# KiCad board kayboard.kicad_pcb (continued)
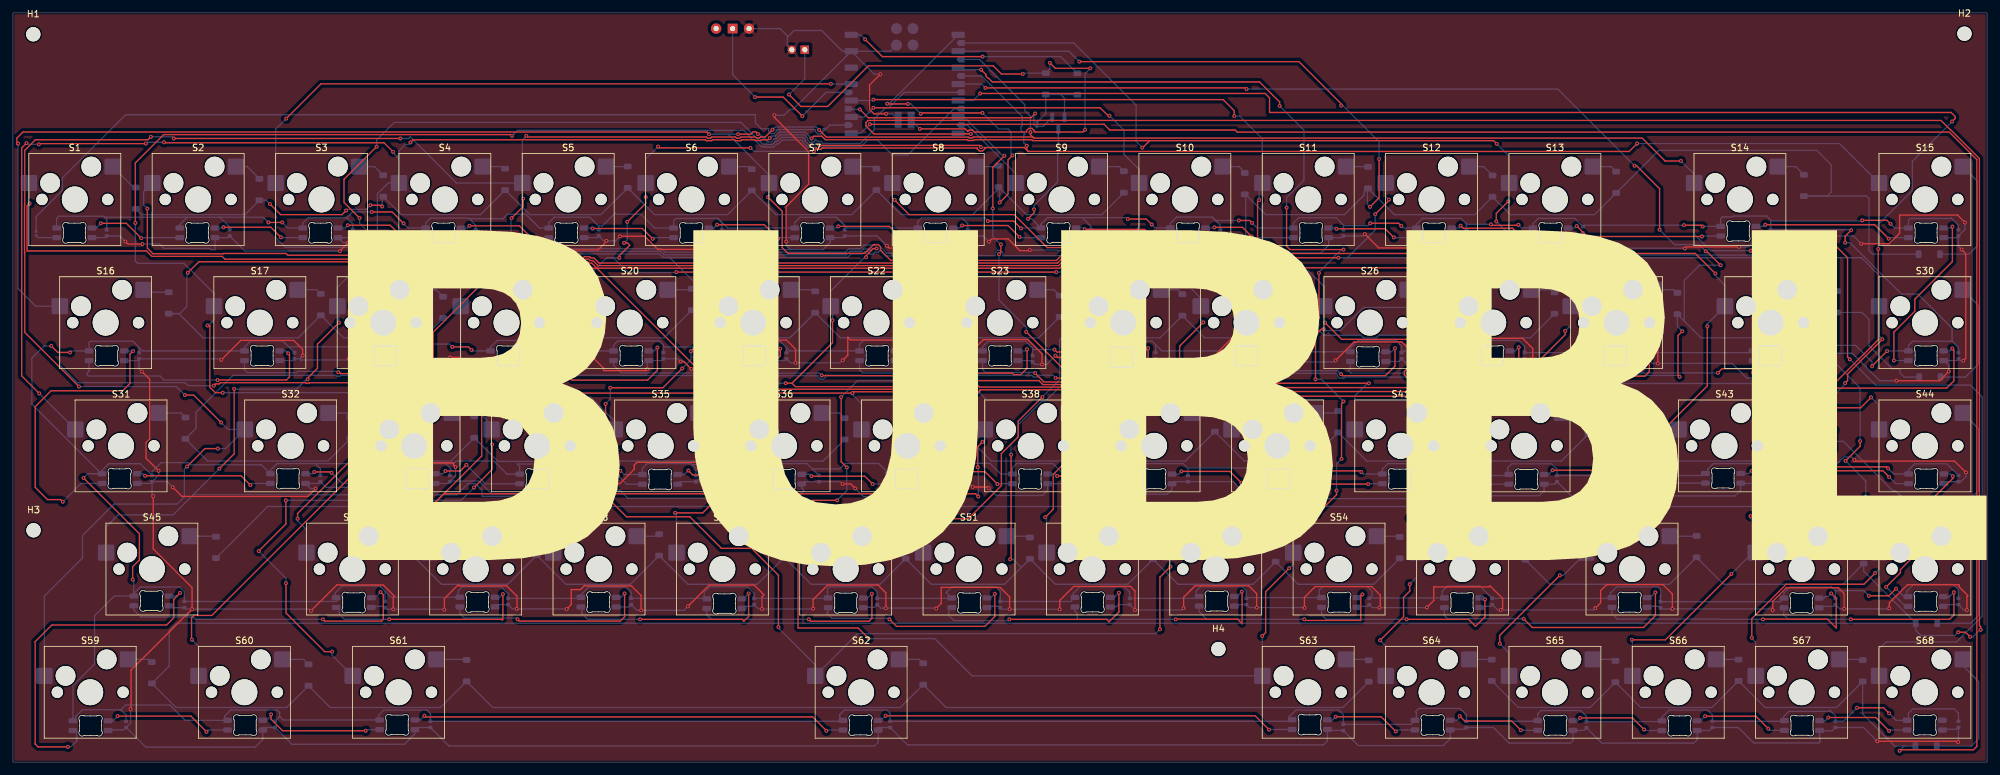
[diagram p0: board, top side]
## Routing (per net, layer and track width the routed paths; a pad name or vN(x,y) marks a point on that pad's centre or on a via; arc(x,y) is an arc through that point) (continued)
row 5: length 652.5
  Top w0.2: v1(288.1,79.33) 288.1,65.31 281.77,58.98 v1(280.53,58.98) ; v1(149.4,103.38) 193.4,103.38 194.08,102.7 194.08,100.44 299.35,100.44 299.98,99.81 299.98,99.52 v1(299.5,99.04)
  Bottom w0.2: 280.1,49.58 280.69,50.17 280.69,58.82 v1(280.53,58.98) ; 280.1,49.58 282.71,49.58 290.33,41.96 290.73,41.96 291.61,41.08 292.98,41.08 293.6,40.46 D44.1 292.87,39.52 39.34,39.52 D45.1 ; 280.1,49.58 D43.1 271.65,46.54 247.5,46.54 D42.1 239.16,46.54 228.03,46.54 D41.1 219.55,46.54 209.12,46.54 D40.1 200.26,46.54 190.19,46.54 D39.1 181.07,46.54 169.6,46.54 D38.1 163.5,46.54 151.13,46.54 D37.1 ; v1(288.1,79.33) 288.1,83.11 293.37,88.38 293.37,92.91 v1(299.5,99.04) ; v1(149.4,103.38) 148.31,102.29 U1.5
row 6: length 264.8
  Top w0.2: v1(154.01,31.34) 154.16,31.49 v1(154.16,47.53) ; v1(152.58,80.04) 152.58,78.82 v1(152.29,78.53) ; v1(156.5,66.51) 162.87,60.14 v1(163.81,60.14) ; v1(153.13,93.75) 151.34,91.96 v1(151.34,85.59)
  Bottom w0.2: 155.75,30.09 154.5,31.34 v1(154.01,31.34) ; 155.75,30.09 D51.1 161.01,27.49 172.19,27.49 D52.1 179.95,27.49 191.54,27.49 D53.1 198.5,27.49 210.18,27.49 D54.1 ; 155.75,30.09 153.15,27.49 141.84,27.49 D50.1 133.92,27.49 123.29,27.49 D49.1 114.97,27.49 104.24,27.49 D48.1 95.36,27.49 85.41,27.49 D47.1 76.41,27.49 66.18,27.49 D46.1 ; v1(154.16,47.53) 154.16,49.18 155.28,50.31 155.28,52.17 158.96,55.85 159.52,55.85 v1(163.81,60.14) ; U1.6 146.87,99.75 152.87,93.75 v1(153.13,93.75) ; v1(152.29,78.53) 152.29,71.43 156.5,67.22 v1(156.5,66.51) ; v1(151.34,85.59) 151.34,81.28 v1(152.58,80.04)
row 7: length 830
  Top w0.2: v1(302.29,19.37) 301.58,20.08 v1(300.45,20.08) ; v1(147.94,97.11) 132.99,97.11 131.74,98.36 131.74,98.86 132.09,99.21 297.78,99.21 299.19,97.8 299.24,97.8 303.72,93.32 303.72,21.12 303.92,20.92 v1(303.92,20.45)
  Bottom w0.2: D58.1 25.28,21.47 24.14,20.33 24.14,14.85 D59.1 25.17,8.44 42.29,8.44 D60.1 49.01,8.44 66.02,8.44 D61.1 74.1,8.44 137.06,8.44 D62.1 144.12,8.44 205.42,8.44 D63.1 ; D58.1 285.84,29.52 D57.1 282.63,27.49 264.2,27.49 D56.1 255.86,27.49 237.38,27.49 D55.1 ; D58.1 293.89,20.38 294.69,19.58 299.95,19.58 v1(300.45,20.08) ; v1(302.29,19.37) 302.73,19.37 303.81,20.45 v1(303.92,20.45) ; v1(147.94,97.11) 147.84,97.21 U1.7
row 8: length 363.2
  Top w0.2: v1(291.39,1.75) 291.54,1.9 302.8,1.9 303.32,2.42 303.32,93.15 299.07,97.4 189.1,97.4 188.78,97.72 169.42,97.72 168.52,98.62 168.51,98.61 v1(132.34,98.61)
  Bottom w0.2: D68.1 292.1,2.46 ; 292.1,2.46 290.64,2.46 285.69,7.41 D67.1 281.67,8.44 270.62,8.44 D66.1 262.42,8.44 251.41,8.44 D65.1 243.59,8.44 232.51,8.44 D64.1 ; 292.1,2.46 v1(291.39,1.75) ; U1.8 130.94,97.21 v1(132.34,98.61)
Net-(D1-A): length 4.9
  Bottom w0.2: D1.2 18.63,88.84 S1.2
Net-(D2-A): length 4.4
  Bottom w0.2: S2.2 36.17,92.07 D2.2
Net-(D3-A): length 4.2
  Bottom w0.2: D3.2 55.85,92.07 S3.2
Net-(D4-A): length 3.6
  Bottom w0.2: D4.2 75.7,92.07 S4.2
Net-(D5-A): length 3.4
  Bottom w0.2: D5.2 94.94,92.07 S5.2
Net-(D6-A): length 3.6
  Bottom w0.2: S6.2 113.73,92.07 D6.2
Net-(D7-A): length 3.8
  Bottom w0.2: D7.2 133.04,92.07 S7.2
Net-(D8-A): length 3.6
  Bottom w0.2: S8.2 152.34,92.07
Net-(D9-A): length 4.1
  Bottom w0.2: D9.2 170.86,92.07 167.8,92.07
Net-(D10-A): length 4
  Bottom w0.2: 190.41,91.04 189.38,92.07 S10.2
Net-(D11-A): length 3.6
  Bottom w0.2: S11.2 209.5,92.07
Net-(D12-A): length 4.1
  Bottom w0.2: D12.2 227.15,92.07 S12.2
Net-(D13-A): length 3.9
  Bottom w0.2: S13.2 246.83,92.07 D13.2
Net-(D14-A): length 4.6
  Bottom w0.2: S14.2 275.35,92.07 D14.2
Net-(D15-A): length 19.5
  Bottom w0.2: D15.2 302.1,78.53 303.43,79.86 303.43,89.79 S15.2
Net-(D16-A): length 4.1
  Bottom w0.2: S16.2 20.54,72.64 D16.2
Net-(D17-A): length 3.8
  Bottom w0.2: S17.2 46.92,73.02 D17.2
Net-(D18-A): length 3.9
  Bottom w0.2: D18.2 65.36,73.02 S18.2
Net-(D19-A): length 4.1
  Bottom w0.2: S19.2 84.62,73.02 D19.2
Net-(D20-A): length 3.8
  Bottom w0.2: D20.2 104.69,73.02 S20.2
Net-(D21-A): length 3.8
  Bottom w0.2: D21.2 123.67,73.02 S21.2
Net-(D22-A): length 3.9
  Bottom w0.2: D22.2 141.71,73.02 S22.2
Net-(D23-A): length 3.8
  Bottom w0.2: D23.2 160.79,73.02 S23.2
Net-(D24-A): length 3.6
  Bottom w0.2: D24.2 179.94,73.02 S24.2
Net-(D25-A): length 3.5
  Bottom w0.2: S25.2 199.49,73.02 D25.2
Net-(D26-A): length 4.2
  Bottom w0.2: S26.2 218.51,73.02 D26.2
Net-(D27-A): length 3.8
  Bottom w0.2: D27.2 237.7,73.02 S27.2
Net-(D28-A): length 3.7
  Bottom w0.2: D28.2 256.6,73.02 S28.2
Net-(D29-A): length 4.5
  Bottom w0.2: S29.2 281.52,73.02 D29.2
Net-(D30-A): length 19.2
  Bottom w0.2: D30.2 301.56,59.53 303.56,61.53 303.56,70.61 S30.2
Net-(D31-A): length 4.4
  Bottom w0.2: S31.2 25.95,53.97 D31.2
Net-(D32-A): length 3.7
  Bottom w0.2: S32.2 51.49,53.97 D32.2
Net-(D33-A): length 3.7
  Bottom w0.2: D33.2 70.72,53.97 S33.2
Net-(D34-A): length 4
  Bottom w0.2: S34.2 89.42,53.97 D34.2
Net-(D35-A): length 3.9
  Bottom w0.2: S35.2 108.01,53.97 D35.2
Net-(D36-A): length 3.8
  Bottom w0.2: D36.2 127.63,53.97 S36.2
Net-(D37-A): length 3.7
  Bottom w0.2: D37.2 147,53.97 S37.2
Net-(D38-A): length 4
  Bottom w0.2: S38.2 165.47,53.97 D38.2
Net-(D39-A): length 3.7
  Bottom w0.2: S39.2 185.2,53.97 D39.2
Net-(D40-A): length 3.7
  Bottom w0.2: S40.2 204.39,53.97 D40.2
Net-(D41-A): length 3.7
  Bottom w0.2: D41.2 223.68,53.97 S41.2
Net-(D42-A): length 4.1
  Bottom w0.2: S42.2 243.29,53.97 D42.2
Net-(D43-A): length 5
  Bottom w0.2: S43.2 273.6,53.97 D43.2
Net-(D44-A): length 20.1
  Bottom w0.2: D44.2 302.07,40.46 303.58,41.97 303.58,51.54 S44.2
Net-(D45-A): length 4.1
  Bottom w0.2: D45.2 31.28,34.92 S45.2
Net-(D46-A): length 3.6
  Bottom w0.2: S46.2 61.43,34.92 D46.2
Net-(D47-A): length 3.8
  Bottom w0.2: D47.2 80.54,34.92 S47.2
Net-(D48-A): length 3.6
  Bottom w0.2: S48.2 99.49,34.92 D48.2
Net-(D49-A): length 3.7
  Bottom w0.2: D49.2 119.1,34.92 S49.2
Net-(D50-A): length 3.5
  Bottom w0.2: D50.2 137.71,34.92 S50.2
Net-(D51-A): length 3.7
  Bottom w0.2: S51.2 156.88,34.92 D51.2
Net-(D52-A): length 3.6
  Bottom w0.2: D52.2 175.82,34.92 S52.2
Net-(D53-A): length 3.7
  Bottom w0.2: S53.2 194.37,34.92 D53.2
Net-(D54-A): length 3.6
  Bottom w0.2: S54.2 214.07,34.92 D54.2
Net-(D55-A): length 4
  Bottom w0.2: S55.2 233.25,34.92 D55.2
Net-(D56-A): length 4.1
  Bottom w0.2: D56.2 259.99,34.92 S56.2
Net-(D57-A): length 4.1
  Bottom w0.2: S57.2 284.92,34.92 D57.2
Net-(D58-A): length 20.2
  Bottom w0.2: S58.2 303.6,32.47 303.6,22.68 302.39,21.47 D58.2
Net-(D59-A): length 3.8
  Bottom w0.2: S59.2 21.04,15.87 D59.2
Net-(D60-A): length 4.4
  Bottom w0.2: D60.2 44.88,15.87 S60.2
Net-(D61-A): length 4.7
  Bottom w0.2: D61.2 69.97,15.87 S61.2
Net-(D62-A): length 4
  Bottom w0.2: D62.2 139.99,15.87 S62.2
Net-(D63-A): length 3.6
  Bottom w0.2: D63.2 209.27,15.87 S63.2
Net-(D64-A): length 3.5
  Bottom w0.2: D64.2 228.38,15.87 S64.2
Net-(D65-A): length 3.6
  Bottom w0.2: D65.2 247.28,15.87 S65.2
Net-(D66-A): length 3.5
  Bottom w0.2: S66.2 266.49,15.87 D66.2
Net-(D67-A): length 3.6
  Bottom w0.2: D67.2 285.58,15.87 S67.2
Net-(D68-A): length 20.2
  Bottom w0.2: D68.2 302.45,2.46 303.61,3.62 303.61,12.44 301.15,14.9 S68.2
Net-(D69-DOUT): length 14.8
  Top w0.2: v1(13.57,83.3) 17.52,83.3 v1(19.81,81.01)
  Bottom w0.2: v1(13.57,83.3) 12.85,82.58 D69.4 ; 25.75,81.08 19.88,81.08 v1(19.81,81.01)
Net-(D70-DOUT): length 14.3
  Top w0.2: v1(41.38,81.14) 39.83,82.69 v1(32.52,82.69)
  Bottom w0.2: v1(41.38,81.14) 41.44,81.08 D71.2 ; 31.2,82.58 32.41,82.58 v1(32.52,82.69)
Net-(D71-DOUT): length 14.7
  Top w0.2: v1(60.38,80.89) 58.27,83 v1(51.73,83)
  Bottom w0.2: D71.4 51.3,82.58 51.72,83 v1(51.73,83) ; D72.2 60.57,81.08 v1(60.38,80.89)
Net-(D72-DOUT): length 14.4
  Top w0.2: v1(79.98,81.15) 78.22,82.91 v1(70.5,82.91)
  Bottom w0.2: v1(70.5,82.91) 70.17,82.58 D72.4 ; v1(79.98,81.15) 80.05,81.08 D73.2
Net-(D73-DOUT): length 14.6
  Top w0.2: v1(89.52,82.5) 97.21,82.5 v1(98.81,80.9)
  Bottom w0.2: v1(89.52,82.5) 89.44,82.58 D73.4 ; D74.2 98.99,81.08 v1(98.81,80.9)
Net-(D74-DOUT): length 14.4
  Top w0.2: v1(108.76,83.08) 116.04,83.08 v1(118.18,80.94)
  Bottom w0.2: v1(118.18,80.94) 118.32,81.08 D75.2 ; D74.4 108.26,82.58 v1(108.76,83.08)
Net-(D75-DOUT): length 14.4
  Top w0.2: v1(127.48,82.83) 135.35,82.83 v1(137.18,81)
  Bottom w0.2: D76.2 137.26,81.08 v1(137.18,81) ; v1(127.48,82.83) 127.23,82.58 D75.4
Net-(D76-DOUT): length 14.5
  Top w0.2: v1(146.59,82.96) 153.69,82.96 v1(155.45,81.2)
  Bottom w0.2: v1(146.59,82.96) 146.21,82.58 D76.4 ; v1(155.45,81.2) 155.57,81.08 D77.2
Net-(D77-DOUT): length 15.2
  Top w0.2: v1(175.67,81.47) 174.78,82.36 v1(165.55,82.36)
  Bottom w0.2: v1(175.67,81.47) 176.06,81.08 D78.2 ; v1(165.55,82.36) 165.33,82.58 D77.4
Net-(D78-DOUT): length 14.3
  Top w0.2: v1(185.57,82.68) 189.89,82.68 v1(191.29,81.28)
  Bottom w0.2: D79.2 191.49,81.08 v1(191.29,81.28) ; v1(185.57,82.68) 185.47,82.58 D78.4
Net-(D79-DOUT): length 14.2
  Top w0.2: v1(213.27,81.13) 211.94,82.46 v1(204.41,82.46)
  Bottom w0.2: D79.4 204.29,82.58 v1(204.41,82.46) ; v1(213.27,81.13) 213.32,81.08 D80.2
Net-(D80-DOUT): length 13.6
  Top w0.2: v1(223.59,82.93) 223.98,82.54 231.63,82.54 v1(232.74,81.43)
  Bottom w0.2: D80.4 223.42,82.58 223.59,82.75 v1(223.59,82.93) ; v1(232.74,81.43) 233.09,81.08 D81.2
Net-(D81-DOUT): length 24.4
  Top w0.2: v1(241.53,82.88) 243.15,81.26 v1(260.87,81.26)
  Bottom w0.2: v1(241.53,82.88) 241.23,82.58 D81.4 ; D82.2 260.94,81.33 v1(260.87,81.26)
Net-(D82-DOUT): length 24.6
  Top w0.2: v1(289.71,80.92) 287.55,83.08 v1(270.66,83.08)
  Bottom w0.2: v1(270.66,83.08) 270.41,82.83 D82.4 ; v1(289.71,80.92) 289.87,81.08 292.76,81.08
Net-(D83-DOUT): length 28.1
  Top w0.2: v1(299.55,82.8) 299.55,77.38 293.74,71.57 293.74,69.7 290.51,66.47 v1(290.51,62.09)
  Bottom w0.2: v1(290.51,62.09) 290.82,62.09 290.83,62.08 292.76,62.08 ; D83.4 299.33,82.58 v1(299.55,82.8)
Net-(D84-DOUT): length 41.2
  Top w0.2: v1(268.76,60.22) 268.76,59.75 270.69,57.82 298.66,57.82 299.78,58.94 299.78,63.7 v1(299.53,63.95)
  Bottom w0.2: D84.4 299.16,63.58 v1(299.53,63.95) ; v1(268.76,60.22) 268.76,60.68 268.75,60.69 D85.2
Net-(D85-DOUT): length 36.7
  Top w0.2: v1(275.52,63.32) 275.52,60.49 275.34,60.31 269.61,60.31 269.1,60.82 263.97,60.82 v1(263.33,60.18)
  Bottom w0.2: D86.2 244.75,61.51 246.09,60.18 v1(263.33,60.18) ; D85.4 275.26,63.58 v1(275.52,63.32)
Net-(D86-DOUT): length 35.1
  Top w0.2: v1(251.44,63.87) 252.74,62.57 252.74,60.36 252.04,59.66 234.54,59.66 v1(234.07,60.13)
  Bottom w0.2: v1(234.07,60.13) 225.75,60.13 225.4,60.48 225.75,60.83 D87.2 ; v1(251.44,63.87) 251.15,63.58 D86.4
Net-(D87-DOUT): length 34.5
  Top w0.2: v1(215.5,60.13) 216.5,59.13 231.65,59.13 232.57,60.05 v1(232.57,64.14)
  Bottom w0.2: D88.2 206.56,60.81 206.25,60.51 206.63,60.13 v1(215.5,60.13) ; D87.4 232.01,63.58 v1(232.57,64.14)
Net-(D88-DOUT): length 32.5
  Top w0.2: v1(213.46,63.98) 213.46,61.22 211.98,59.74 205.36,59.74 v1(205.13,59.97)
  Bottom w0.2: D88.4 212.93,63.44 213.47,63.98 v1(213.46,63.98) ; D89.2 187.75,60.73 187.97,60.51 204.59,60.51 v1(205.13,59.97)
Net-(D89-DOUT): length 33.7
  Top w0.2: v1(184.15,59.93) 184.41,60.19 194.06,60.19 194.62,59.63 194.62,64.1 v1(194.56,64.16)
  Bottom w0.2: D90.2 168.48,61.26 169.61,60.13 183.95,60.13 v1(184.15,59.93) ; D89.4 193.98,63.58 v1(194.56,64.16)
Net-(D90-DOUT): length 34.5
  Top w0.2: v1(175.32,63.98) 175.32,58.99 175.1,58.77 159.24,58.77 v1(157.88,60.13)
  Bottom w0.2: v1(175.32,63.98) 174.67,63.33 D90.4 ; D91.2 149.75,60.8 149.77,60.78 149.77,60.64 150.16,60.25 157.76,60.25 v1(157.88,60.13)
Net-(D91-DOUT): length 32.5
  Top w0.2: v1(156.63,63.82) 156.63,60.89 155.65,59.91 154.58,59.91 154.35,60.14 v1(146.4,60.14)
  Bottom w0.2: v1(146.4,60.14) 131.25,60.14 130.75,60.63 D92.2 ; v1(156.63,63.82) 156.39,63.58 D91.4
Net-(D92-DOUT): length 32.2
  Top w0.2: v1(124.91,59.78) 124.95,59.74 136,59.74 137.49,61.23 v1(137.49,64.07)
  Bottom w0.2: D92.4 137,63.58 v1(137.49,64.07) ; v1(124.91,59.78) 124.56,60.13 112.69,60.13 111.75,61.06 D93.2
Net-(D93-DOUT): length 30.8
  Top w0.2: v1(107.89,60.13) 107.98,60.04 107.98,59.95 115.64,59.95 118.51,62.82 v1(118.51,63.92)
  Bottom w0.2: v1(118.51,63.92) 118.17,63.58 D93.4 ; v1(107.89,60.13) 107.85,60.17 93.95,60.17 92.75,61.37 D94.2
Net-(D94-DOUT): length 33.4
  Top w0.2: v1(85.28,60.15) 86.37,59.06 98.02,59.06 99.54,60.58 v1(99.54,64.1)
  Bottom w0.2: v1(85.28,60.15) 74.49,60.15 73.75,60.88 D95.2 ; D94.4 99.02,63.58 v1(99.54,64.1)
Net-(D95-DOUT): length 33.8
  Top w0.2: v1(68.92,60.13) 70.1,58.95 79.81,58.95 80.42,59.56 v1(80.42,63.97)
  Bottom w0.2: D96.2 54.75,60.95 55.71,60 68.79,60 v1(68.92,60.13) ; D95.4 80.03,63.58 v1(80.42,63.97)
Net-(D96-DOUT): length 33
  Top w0.2: v1(50.25,60.26) 50.46,60.26 50.65,60.07 60.62,60.07 61.73,61.18 v1(61.73,64.15)
  Bottom w0.2: v1(50.25,60.26) 50.1,60.41 43.99,60.41 43.79,60.21 36.2,60.21 35.75,60.65 D97.2 ; 61.73,64.16 v1(61.73,64.15) 61.72,64.16 61.72,64.17 61.13,63.58 D96.4
Net-(D97-DOUT): length 39.3
  Top w0.2: v1(31.59,59.07) 42.24,59.07 42.71,59.54 42.71,63 v1(42.51,63.2)
  Bottom w0.2: v1(31.59,59.07) 23.33,59.07 22.7,59.7 11.65,59.7 11.47,59.88 11.47,60.16 11.75,60.44 11.75,62.08 ; D97.4 42.13,63.58 v1(42.51,63.2)
Net-(D98-DOUT): length 47.6
  Top w0.2: v1(18.55,63.55) 18.07,63.07 18.07,58.54 16.94,57.41 5.89,57.41 3.44,54.96 3.44,42.48 5.34,40.58 7.37,40.58 v1(7.7,40.25)
  Bottom w0.2: v1(7.7,40.25) 10.53,43.08 13.75,43.08 ; v1(18.55,63.55) 18.52,63.58 D98.4
Net-(D100-DIN): length 21.4
  Top w0.2: v1(20.41,44.26) 35.24,44.26 v1(36.67,42.83)
  Bottom w0.2: D100.2 36.92,43.08 v1(36.67,42.83) ; v1(20.41,44.26) 20.09,44.58 D99.4
Net-(D100-DOUT): length 15.4
  Top w0.2: v1(46.54,44.86) 49.07,44.86 v1(49.21,44.72)
  Bottom w0.2: v1(46.54,44.86) 46.26,44.58 D100.4 ; D101.2 50.85,43.08 v1(49.21,44.72)
Net-(D101-DOUT): length 14.8
  Top w0.2: v1(66.8,45) 69.08,45 v1(70.03,45.95)
  Bottom w0.2: v1(70.03,45.95) 72.95,43.03 D102.2 ; v1(66.8,45) 66.38,44.58 D101.4
Net-(D102-DOUT): length 14.5
  Top w0.2: v1(93.43,44.33) 92.74,44.33 92.1,44.97 v1(84.88,44.97)
  Bottom w0.2: 97.23,42.96 94.79,42.96 93.43,44.32 v1(93.43,44.33) ; D102.4 84.44,44.53 v1(84.88,44.97)
Net-(D103-DOUT): length 14.8
  Top w0.2: v1(113.98,42.98) 112.56,44.4 104.99,44.4 v1(104.31,45.08)
  Bottom w0.2: D103.4 103.69,44.46 v1(104.31,45.08) ; D104.2 114,43 v1(113.98,42.98)
Net-(D104-DOUT): length 14.2
  Top w0.2: v1(132.79,42.98) 131.57,44.2 v1(123.33,44.2)
  Bottom w0.2: v1(123.33,44.2) 123.03,44.5 D104.4 ; 135.35,43.02 132.83,43.02 v1(132.79,42.98)
Net-(D105-DOUT): length 14.5
  Top w0.2: v1(142.41,44.9) 150.14,44.9 v1(152.06,42.98)
  Bottom w0.2: v1(152.06,42.98) 152.12,43.04 D106.2 ; D105.4 142.03,44.52 v1(142.41,44.9)
Net-(D106-DOUT): length 14.5
  Top w0.2: v1(171.4,42.93) 170.09,44.24 v1(161.28,44.24)
  Bottom w0.2: v1(161.28,44.24) 160.98,44.54 159.81,44.54 ; v1(171.4,42.93) 171.49,43.02 D107.2
Net-(D107-DOUT): length 14.7
  Top w0.2: v1(189.74,43.16) 187.96,44.94 v1(180.46,44.94)
  Bottom w0.2: v1(189.74,43.16) 189.86,43.04 192.79,43.04 ; v1(180.46,44.94) 180.04,44.52 179.01,44.52
Net-(D108-DOUT): length 14.3
  Top w0.2: v1(209.31,42.98) 201.67,42.98 v1(199.68,44.97)
  Bottom w0.2: D108.4 198.87,44.54 199.3,44.97 v1(199.68,44.97) ; D109.2 209.63,43.04 209.57,42.98 v1(209.31,42.98)
Net-(D109-DOUT): length 15.1
  Top w0.2: v1(224.38,43.13) 224.32,43.07 220.17,43.07 v1(218.38,44.86)
  Bottom w0.2: D110.2 224.54,42.97 v1(224.38,43.13) ; v1(218.38,44.86) 218.06,44.54 D109.4
Net-(D110-DOUT): length 26
  Top w0.2: v1(245.7,43.58) 244.16,45.12 v1(237.8,45.12)
  Bottom w0.2: D110.4 237.15,44.47 v1(237.8,45.12) ; v1(245.7,43.58) 246.15,43.13 D111.2
Net-(D111-DOUT): length 26.9
  Top w0.2: v1(289.78,44.08) 288.82,45.04 v1(268.53,45.04)
  Bottom w0.2: D112.2 290.81,43.05 v1(289.78,44.08) ; D111.4 268.12,44.63 v1(268.53,45.04)
Net-(D112-DOUT): length 27.4
  Top w0.2: v1(289.31,27.07) 291.52,29.28 291.52,29.76 293.37,31.61 293.37,37.62 299.61,43.86 v1(299.61,44.2)
  Bottom w0.2: v1(289.31,27.07) 291.52,24.86 291.52,24.85 292.38,23.99 292.44,24.05 ; v1(299.61,44.2) 299.26,44.55 298.23,44.55
Net-(D113-DOUT): length 32.7
  Top w0.2: v1(283.86,22.07) 299.11,22.07 299.78,22.74 v1(299.78,26.26)
  Bottom w0.2: D114.2 273.52,22.75 274.2,22.07 v1(283.86,22.07) ; 298.78,25.55 299.07,25.55 v1(299.78,26.26)
Net-(D114-DOUT): length 44.4
  Top w0.2: v1(280.83,26.08) 281.6,25.31 281.6,20.74 280.24,22.1 270.33,22.1 v1(270.3,22.07)
  Bottom w0.2: D114.4 279.69,25.35 279.94,25.6 280.35,25.6 v1(280.83,26.08) ; 246.97,23.93 246.97,22.93 247.79,22.1 263.53,22.1 263.56,22.07 v1(270.3,22.07)
Net-(D115-DOUT): length 40.5
  Top w0.2: v1(253.68,26.24) 253.68,22.65 251.84,20.81 234.67,20.81 v1(233.32,22.16)
  Bottom w0.2: v1(233.32,22.16) 221.59,22.16 221.08,22.67 D116.2 ; v1(253.68,26.24) 252.87,25.43 D115.4
Net-(D116-DOUT): length 31.9
  Top w0.2: v1(227.35,25.17) 227.35,22.45 225.89,20.99 224.81,22.07 v1(215.24,22.07)
  Bottom w0.2: 226,25.37 227.15,25.37 v1(227.35,25.17) ; v1(215.24,22.07) 202.78,22.07 202.12,22.74 D117.2
Net-(D117-DOUT): length 30.9
  Top w0.2: v1(208.42,25.92) 208.17,25.67 208.17,21.9 199.62,21.9 v1(199.45,22.07)
  Bottom w0.2: 208.15,25.65 v1(208.42,25.92) ; v1(199.45,22.07) 184.39,22.07 183.19,23.26 D118.2
Net-(D118-DOUT): length 34.2
  Top w0.2: v1(179.59,22.07) 179.62,22.1 189.14,22.1 189.85,21.39 189.85,26.3 v1(189.8,26.35)
  Bottom w0.2: v1(179.59,22.07) 164.51,22.07 164.39,22.19 164.39,22.97 164.03,23.33 164.03,23.97 ; v1(189.8,26.35) 189.06,25.61 D118.4
Net-(D119-DOUT): length 32.9
  Top w0.2: v1(170.81,26.17) 170.81,23.2 169.3,21.69 168.92,22.07 v1(153.9,22.07)
  Bottom w0.2: v1(153.9,22.07) 153.7,21.87 145.33,21.87 144.56,22.64 144.56,23.55 ; D119.4 170.11,25.47 v1(170.81,26.17)
Net-(D120-DOUT): length 33.3
  Top w0.2: v1(151.65,26.02) 151.65,22.51 150.12,20.98 136.47,20.98 v1(135.38,22.07)
  Bottom w0.2: D121.2 125.89,23.2 125.76,23.07 125.76,22.97 126.51,22.22 135.23,22.22 v1(135.38,22.07) ; v1(151.65,26.02) 151.01,25.38 D120.4
Net-(D121-DOUT): length 32.5
  Top w0.2: v1(132.66,26.03) 132.66,22.21 132.23,21.78 123.2,21.78 v1(122.91,22.07)
  Bottom w0.2: v1(122.91,22.07) 107.87,22.07 107.16,22.78 D122.2 ; D121.4 132,25.37 v1(132.66,26.03)
Net-(D122-DOUT): length 32.8
  Top w0.2: v1(96.86,22.07) 112.6,22.07 112.89,21.78 113.62,22.51 v1(113.62,26.07)
  Bottom w0.2: D122.4 112.8,25.25 v1(113.62,26.07) ; 87.88,24.3 87.88,22.95 88.76,22.07 v1(96.86,22.07)
Net-(D123-DOUT): length 32.4
  Top w0.2: v1(77.93,22.07) 78.2,21.8 93.82,21.8 94.47,22.45 v1(94.47,26.07)
  Bottom w0.2: v1(94.47,26.07) 93.88,25.48 D123.4 ; D124.2 69.01,22.98 69.73,22.26 77.74,22.26 v1(77.93,22.07)
Net-(D124-DOUT): length 31.9
  Top w0.2: v1(75.67,25.96) 75.67,22.05 75.57,21.95 75.45,22.07 v1(58.11,22.07)
  Bottom w0.2: D124.4 75.2,25.49 v1(75.67,25.96) ; 50.39,23.75 50.39,22.88 51.2,22.07 v1(58.11,22.07)
Net-(D125-DOUT): length 45.7
  Top w0.2: v1(47.87,22.07) 48.15,21.79 56.94,21.79 57.2,22.05 57.2,25.85 v1(56.77,26.29)
  Bottom w0.2: v1(47.87,22.07) 28.18,22.07 27.8,22.45 19.74,22.45 18.67,23.52 D126.2 ; 55.85,25.37 v1(56.77,26.29)
Net-(D126-DOUT): length 53.7
  Top w0.2: v1(25.81,26.15) 24.83,25.17 24.83,22.3 23.72,21.19 6,21.19 3.43,18.62 3.43,2.79 3.87,2.35 v1(8.48,2.35)
  Bottom w0.2: v1(8.48,2.35) 8.94,2.35 9.91,3.32 9.84,3.39 9.84,4.98 ; D126.4 25.33,25.67 v1(25.81,26.15)
Net-(D127-DOUT): length 19.8
  Top w0.2: v1(16.17,7.11) 27.47,7.11 v1(29.89,4.69)
  Bottom w0.2: D128.2 30.16,4.96 v1(29.89,4.69) ; D127.4 15.44,6.38 v1(16.17,7.11)
Net-(D128-DOUT): length 20.1
  Top w0.2: v1(39.87,7.38) 39.87,6.61 41.64,4.84 v1(54.48,4.84)
  Bottom w0.2: D129.2 54.65,5.01 v1(54.48,4.84) ; v1(39.87,7.38) 39.87,7.15 39.18,6.46 D128.4
Net-(D129-DOUT): length 67.4
  Top w0.2: v1(125.64,4.85) 123.51,6.98 63.73,6.98 v1(63.55,7.16)
  Bottom w0.2: 62.07,6.51 62.9,6.51 v1(63.55,7.16) ; D130.2 125.74,4.95 v1(125.64,4.85)
Net-(D130-DOUT): length 65.1
  Top w0.2: v1(134.79,7.16) 191.85,7.16 v1(194,5.01)
  Bottom w0.2: v1(134.79,7.16) 134.08,6.45 133.63,6.45 ; D131.2 194.03,5.04 v1(194,5.01)
Net-(D131-DOUT): length 14.7
  Top w0.2: v1(213.58,4.74) 211.32,7 v1(204.29,7)
  Bottom w0.2: v1(204.29,7) 203.83,6.54 D131.4 ; 216.55,4.97 213.81,4.97 v1(213.58,4.74)
Net-(D132-DOUT): length 14.8
  Top w0.2: v1(232.9,4.93) 231.48,6.35 224.22,6.35 v1(223.46,7.11)
  Bottom w0.2: D132.4 223.05,6.47 223.46,6.88 v1(223.46,7.11) ; v1(232.9,4.93) 232.92,4.91 D133.2
Net-(D133-DOUT): length 14.7
  Top w0.2: v1(251.93,5.03) 250.13,6.83 v1(242.06,6.83)
  Bottom w0.2: D134.2 252.08,4.88 v1(251.93,5.03) ; v1(242.06,6.83) 241.64,6.41 D133.4
Net-(D134-DOUT): length 14.7
  Top w0.2: v1(271.11,5.17) 269.19,7.09 v1(261.35,7.09)
  Bottom w0.2: v1(271.11,5.17) 271.38,4.9 D135.2 ; v1(261.35,7.09) 260.64,6.38 260.13,6.38
Net-(D135-DOUT): length 14.6
  Top w0.2: v1(289.77,4.82) 287.7,6.89 v1(280.39,6.89)
  Bottom w0.2: D135.4 279.9,6.4 v1(280.39,6.89) ; D136.2 289.91,4.96 v1(289.77,4.82)
Net-(D137-A): length 37.4
  Top w0.2: v1(131.62,111.74) 134.28,109.08 v1(149.76,109.08)
  Bottom w0.2: D137.2 161.8,109.08 v1(149.76,109.08) ; U1.14 130.91,112.45 v1(131.62,111.74)
Net-(Q1-G): length 35
  Top w0.2: v1(157.88,100.28) 157.22,99.62 132.1,99.62 v1(130.8,100.92)
  Bottom w0.2: Q1.1 159.1,98.28 R1.2 157.97,98.28 157.67,98.58 157.67,100.07 v1(157.88,100.28) ; U1.22 129.18,100.92 v1(130.8,100.92)
Net-(SW1-B): length 29.2
  Top w0.2: v1(114.62,102.82) 118.97,102.82 v1(121.92,99.87)
  Bottom w0.2: v1(121.92,99.87) 125.61,103.56 U1.23 ; SW1.1 111.15,106.29 v1(114.62,102.82)
Net-(U1-P1.03_D17_SCK1): length 139.6
  Bottom w0.2: R2.1 3.58,84.34 7.62,88.38 7.62,90.31 17.4,100.09 114.6,100.09 114.66,100.03 114.66,98.84 115.58,97.92 116.71,97.92 116.71,97.53 117.06,97.18 117.56,97.18 117.91,97.53 117.91,97.79 123.9,97.79 123.93,97.76 123.93,97.48 124.28,97.13 124.78,97.13 125.13,97.48 125.13,97.92 125.33,97.92 125.33,97.64 126.15,98.46 126.15,98.48 U1.21

## Copper pours and planes (outline as drawn; the poured copper is in the pictures)
gnd_LED on Top, Bottom: 131.05,120.98 -11.34,130.01 -11.44,-26.25 312.92,-20.01 325.89,134.62 123.78,121.41
(no net) on Top, Bottom: -11.44,69.01 -11.44,130 365.24,144.61 331.51,-47.48 -23.07,-50.23 -11.33,71.47 -11.41,75.66 -11.43,129.9 -11.34,130.01

## Text on the board
F.Silkscreen: BUBBLE
